# KiCad board PCB_B.kicad_pcb

Outline 53.99 x 53.99 mm; copper layers: Top, Bottom. Coordinates in mm from the lower left corner of the outline.

## Placement (name value [footprint] x y rotation side)
C1  10uF  [C_0805_2012Metric_Pad1.15x1.40mm_HandSolder]  44.74 21.74 90 top
C2  10uF  [C_0805_2012Metric_Pad1.15x1.40mm_HandSolder]  50.19 19.19 270 top
C3  2.2uF  [C_0805_2012Metric_Pad1.15x1.40mm_HandSolder]  31.34 35.48 0 top
C4  100nF  [C_0603_1608Metric_Pad1.05x0.95mm_HandSolder]  32.99 38.99 90 top
C5  2.2uF  [C_0805_2012Metric_Pad1.15x1.40mm_HandSolder]  30.24 41.74 180 top
C6  10uF  [C_0805_2012Metric_Pad1.15x1.40mm_HandSolder]  13.74 26.74 180 top
C7  100nF  [C_0603_1608Metric_Pad1.05x0.95mm_HandSolder]  21.99 29.99 0 top
C8  1uF  [C_0603_1608Metric_Pad1.05x0.95mm_HandSolder]  21.99 28.24 0 top
C9  1uF  [C_0603_1608Metric_Pad1.05x0.95mm_HandSolder]  19.24 32.99 90 top
C10  10uF  [C_0805_2012Metric_Pad1.15x1.40mm_HandSolder]  17.24 26.99 90 top
C11  100nF  [C_0603_1608Metric_Pad1.05x0.95mm_HandSolder]  18.28 22.32 0 top
C12  1uF  [C_0603_1608Metric_Pad1.05x0.95mm_HandSolder]  21.97 22.18 0 top
C13  100nF  [C_0603_1608Metric_Pad1.05x0.95mm_HandSolder]  22.28 20.11 0 top
C14  10uF  [C_0805_2012Metric_Pad1.15x1.40mm_HandSolder]  10.99 19.74 90 top
C15  100nF  [C_0603_1608Metric_Pad1.05x0.95mm_HandSolder]  21.74 12.49 0 top
C16  1uF  [C_0603_1608Metric_Pad1.05x0.95mm_HandSolder]  21.74 10.74 0 top
C17  1uF  [C_0603_1608Metric_Pad1.05x0.95mm_HandSolder]  18.99 15.49 90 top
C18  10uF  [C_0805_2012Metric_Pad1.15x1.40mm_HandSolder]  13.74 13.99 0 top
C19  10n  [C_0603_1608Metric_Pad1.05x0.95mm_HandSolder]  18.74 7.37 90 top
C20  1uF  [C_0603_1608Metric_Pad1.05x0.95mm_HandSolder]  21.74 1.99 0 top
C21  100nF  [C_0603_1608Metric_Pad1.05x0.95mm_HandSolder]  21.74 3.99 0 top
C22  100nF  [C_0603_1608Metric_Pad1.05x0.95mm_HandSolder]  43.74 25.49 180 top
C23  1uF  [C_0603_1608Metric_Pad1.05x0.95mm_HandSolder]  43.74 27.24 180 top
C24  1uF  [C_0603_1608Metric_Pad1.05x0.95mm_HandSolder]  43.74 32.74 0 top
C25  1uF  [C_0603_1608Metric_Pad1.05x0.95mm_HandSolder]  36.99 19.24 90 top
C26  1uF  [C_0603_1608Metric_Pad1.05x0.95mm_HandSolder]  36.24 25.49 90 top
C27  0.47uF  [C_0603_1608Metric_Pad1.05x0.95mm_HandSolder]  32.99 22.74 270 top
F1  Polyfuse  [Fuse_1812_4532Metric_Pad1.30x3.40mm_HandSolder]  30.55 14.55 270 top
IC1  MCP1642B-50I_MS  [SOP65P490X110-8N]  47.49 20.74 90 top
IC2  MCP1642B-50I_MS  [SOP65P490X110-8N]  13.99 18.49 90 top
J1  Conector_PCB_B-C  [Conector_PCB_B-C_Lado_B]  26.99 26.99 0 top
J2  -  [Conector_PCB_A-B]  26.99 26.99 0 top
L1  4.7uH  [SRN3010TA-4R7M]  47.59 25.99 180 top
L2  1uH  [L_0805_2012Metric_Pad1.15x1.40mm_HandSolder]  13.99 34.49 0 top
L3  4.7uH  [SRN3010TA-4R7M]  14.24 23.74 180 top
LOGO  -  [Logo_AXTEC]  2.74 34.74 0 top
LOGO#2  -  [Logo_AXTEC]  10.74 34.74 180 bottom
M1  Spacer  [Empty_Footprint]  -0.95 41.93 0 top
M2  Spacer  [Empty_Footprint]  -1.45 41.93 0 top
M3  Spacer  [Empty_Footprint]  -1.95 41.93 0 top
MH1  -  [MH_CanSat]  26.99 26.99 0 top
R1  51R  [R_0603_1608Metric_Pad1.05x0.95mm_HandSolder]  18.89 36.39 0 top
R2  120m  [R_1206_3216Metric_Pad1.42x1.75mm_HandSolder]  17.24 33.01 90 top
R3  51R  [R_0603_1608Metric_Pad1.05x0.95mm_HandSolder]  18.49 29.74 0 top
R4  2k  [R_0603_1608Metric_Pad1.05x0.95mm_HandSolder]  19.24 26.99 90 top
R5  150k  [R_0603_1608Metric_Pad1.05x0.95mm_HandSolder]  18.28 24.32 0 top
R6  51R  [R_0603_1608Metric_Pad1.05x0.95mm_HandSolder]  17.98 18.79 0 top
R7  200m  [R_1206_3216Metric_Pad1.42x1.75mm_HandSolder]  16.99 15.49 90 top
R8  51R  [R_0603_1608Metric_Pad1.05x0.95mm_HandSolder]  17.87 11.99 0 top
R9  22k  [R_0603_1608Metric_Pad1.05x0.95mm_HandSolder]  16.99 9.24 90 top
R10  39k  [R_0603_1608Metric_Pad1.05x0.95mm_HandSolder]  15.24 7.37 90 top
R11  51R  [R_0603_1608Metric_Pad1.05x0.95mm_HandSolder]  46.5 32.86 90 top
R12  51m  [R_1206_3216Metric_Pad1.42x1.75mm_HandSolder]  43.71 35.72 0 top
R13  51R  [R_0603_1608Metric_Pad1.05x0.95mm_HandSolder]  40.96 32.86 90 top
R14  1k8  [R_0603_1608Metric_Pad1.05x0.95mm_HandSolder]  38.74 19.24 90 top
R15  2k  [R_0603_1608Metric_Pad1.05x0.95mm_HandSolder]  40.49 19.24 90 top
R16  100k  [R_0603_1608Metric_Pad1.05x0.95mm_HandSolder]  37.09 27.99 0 top
R17  10m  [R_2512_6332Metric_Pad1.52x3.35mm_HandSolder]  36.49 32.74 90 top
R20  10k  [C_0603_1608Metric_Pad1.05x0.95mm_HandSolder]  32.74 31.99 90 top
R21  10k  [C_0603_1608Metric_Pad1.05x0.95mm_HandSolder]  30.24 31.24 0 top
R22  100k  [R_0603_1608Metric_Pad1.05x0.95mm_HandSolder]  34.97 15.41 270 top
REF**  -  [PCB_mayor_diametro]  26.99 26.99 0 top
REF**#2  -  [OSHW-Symbol_6.7x6mm_SilkScreen]  6.74 28.99 0 top
REF**#3  -  [OSHW-Symbol_6.7x6mm_SilkScreen]  6.74 28.99 180 bottom
TP1  TestPoint_VBUS  [TestPoint_Pad_D1.0mm]  33.79 18.69 0 top
TP2  TestPoint_BATT  [TestPoint_Pad_D1.0mm]  39.59 29.69 0 top
TP3  TestPoint_3V3int  [TestPoint_Pad_D1.0mm]  27.29 39.59 0 top
TP4  TestPoint_3v3ext  [TestPoint_Pad_D1.0mm]  32.99 50.19 0 top
TP5  TestPoint_5Vext  [TestPoint_Pad_D1.0mm]  32.99 48.79 0 top
TP6  TestPoint_5Vint  [TestPoint_Pad_D1.0mm]  51.79 32.79 0 top
TP7  TestPoint_GND  [TestPoint_THTPad_1.0x1.0mm_Drill0.5mm]  49.19 34.69 0 top
TP8  TestPoint_IBATT  [TestPoint_Pad_D1.0mm]  46.29 28.79 0 top
TP9  TestPoint_I5V  [TestPoint_Pad_D1.0mm]  24.06 42.99 0 top
TP10  TestPoint_V5V  [TestPoint_Pad_D1.0mm]  25.69 42.99 0 top
TP11  TestPoint_I3V3  [TestPoint_Pad_D1.0mm]  20.79 42.99 0 top
TP12  TestPoint_V3V3  [TestPoint_Pad_D1.0mm]  22.43 42.99 0 top
TP13  TestPoint_CHG  [TestPoint_Pad_D1.0mm]  36.59 15.29 0 top
TP14  TestPoint_GPOUT  [TestPoint_Pad_D1.0mm]  28.59 29.39 0 top
TP15  TestPoint_SDA  [TestPoint_Pad_D1.0mm]  29.19 23.89 0 top
TP16  TestPoint_SCL  [TestPoint_Pad_D1.0mm]  36.44 11.79 0 top
U1  MIC5323-3.3YD5_TR  [SOT95P280X100-5N]  30.24 38.49 90 top
U2  ADP2108AUJ-3.3  [TSOT-23-5]  13.94 30.18 90 top
U3  INA194  [SOT-23-5]  21.99 32.74 270 top
U4  MCP6001-OT  [SOT-23-5]  21.99 24.99 270 top
U5  INA194  [SOT-23-5]  21.74 15.49 270 top
U6  MCP6001-OT  [SOT-23-5]  21.74 7.14 270 top
U7  INA194  [SOT-23-5]  43.74 30.24 180 top
U8  BQ24091DGQT  [SOP50P490X110-11N]  38.74 24.18 90 top
U9  BQ27441DRZR-G1A  [Texas_S-PDSO-N12]  31.71 27.33 90 top

## Footprints (pads in the part's own frame, mm; a bottom-side part is the same pattern mirrored in y, then rotated)
C_0603_1608Metric_Pad1.05x0.95mm_HandSolder
  rrect 1.05x0.95 smd: 1(-0.875,0) 2(0.875,0)
C_0805_2012Metric_Pad1.15x1.40mm_HandSolder
  rrect 1.15x1.4 smd: 1(-1.025,0) 2(1.025,0)
Conector_PCB_A-B
  rect 1.7x1.7 hole 1: 1(17.132,11.401)
  oval 1.7x1.7 hole 1: 2(19.672,11.401) 5(24.8,1.27) 6(24.8,-1.27) 9(4.997,-20.914) 10(4.997,-18.374) 12(-19.728,11.501) 13(-22.268,11.501) 15(-24.8,1.27) 16(-24.8,-1.27) 17(-24.8,-3.81)
  round 1.7 hole 1: 3(22.212,11.401) 4(24.8,3.81) 7(24.8,-3.81) 8(4.997,-23.454) 11(-17.188,11.501) 14(-24.8,3.81)
Conector_PCB_B-C_Lado_B
  rect 1.6x0.3 smd far side: 1(1.85,24.25) 2(1.85,23.75) 3(1.85,23.25) 4(1.85,22.75) 5(1.85,22.25) 6(1.85,21.75) 7(1.85,21.25) 8(1.85,20.75) 9(1.85,20.25) 10(1.85,19.75) 11(-1.75,19.75) 12(-1.75,20.25) 13(-1.75,20.75) 14(-1.75,21.25) 15(-1.75,21.75) 16(-1.75,22.25) 17(-1.75,22.75) 18(-1.75,23.25) 19(-1.75,23.75) 20(-1.75,24.25) 21(7.9,-19.878) 22(7.9,-19.378) 23(7.9,-18.878) 24(7.9,-18.378) 25(7.9,-17.878) 26(7.9,-17.378) 27(7.9,-16.878) 28(7.9,-16.378) 29(7.9,-15.878) 30(7.9,-15.378) 31(11.5,-15.378) 32(11.5,-15.878) 33(11.5,-16.378) 34(11.5,-16.878) 35(11.5,-17.378) 36(11.5,-17.878) 37(11.5,-18.378) 38(11.5,-18.878) 39(11.5,-19.378) 40(11.5,-19.878)
  rect 1.8x0.8 smd far side: 41(0.05,26) 42(0.05,18) 43(9.7,-21.628) 44(9.7,-13.628)
  round 0.75 hole 0.75: 45(1.55,25.3) 46(1.55,18.7) 47(8.2,-20.928) 48(8.2,-14.328)
Fuse_1812_4532Metric_Pad1.30x3.40mm_HandSolder
  rrect 1.3x3.4 smd: 1(-2.225,0) 2(2.225,0)
L_0805_2012Metric_Pad1.15x1.40mm_HandSolder
  rrect 1.15x1.4 smd: 1(-1.025,0) 2(1.025,0)
MH_CanSat
  round 6.3 hole 3.2: 1(-12.5,13.5)
  round 6.2 hole 3.2: 2(12.5,13.5) 3(0,-20.2)
R_0603_1608Metric_Pad1.05x0.95mm_HandSolder
  rrect 1.05x0.95 smd: 1(-0.875,0) 2(0.875,0)
R_1206_3216Metric_Pad1.42x1.75mm_HandSolder
  rrect 1.425x1.75 smd: 1(-1.488,0) 2(1.488,0)
R_2512_6332Metric_Pad1.52x3.35mm_HandSolder
  rrect 1.525x3.35 smd: 1(-2.987,0) 2(2.987,0)
SOP50P490X110-11N
  rect 1.422x0.279 smd: 1(-2.184,0.991) 2(-2.184,0.508) 3(-2.184,0) 4(-2.184,-0.508) 5(-2.184,-0.991) 6(2.184,-0.991) 7(2.184,-0.508) 8(2.184,0) 9(2.184,0.508) 10(2.184,0.991)
  rect 1.575x1.88 smd: 11(0,0)
SOP65P490X110-8N
  rect 1.4x0.45 smd: 1(-2.2,0.975) 2(-2.2,0.325) 3(-2.2,-0.325) 4(-2.2,-0.975) 5(2.2,-0.975) 6(2.2,-0.325) 7(2.2,0.325) 8(2.2,0.975)
SOT95P280X100-5N
  rect 1.05x0.6 smd: 1(-1.3,0.95) 2(-1.3,0) 3(-1.3,-0.95) 4(1.3,-0.95) 5(1.3,0.95)
SOT-23-5
  rect 1.06x0.65 smd: 1(-1.1,0.95) 2(-1.1,0) 3(-1.1,-0.95) 4(1.1,-0.95) 5(1.1,0.95)
SRN3010TA-4R7M
  rect 1x3.2 smd: 1(-1.1,0) 2(1.1,0)
TestPoint_Pad_D1.0mm
  round 1 smd: 1(0,0)
TestPoint_THTPad_1.0x1.0mm_Drill0.5mm
  rect 1x1 hole 0.5: 1(0,0)
Texas_S-PDSO-N12
  rect 0.2x0.2 smd: 1(-2.3,1) 2(-2.3,0.6) 3(-2.3,0.2) 4(-2.3,-0.2) 5(-2.3,-0.6) 6(-2.3,-1) 7(2.3,-1) 8(2.3,-0.6) 9(2.3,-0.2) 10(2.3,0.2) 11(2.3,0.6) 12(2.3,1)
  oval 0.85x0.2 smd: 1(-1.975,1) 2(-1.975,0.6) 3(-1.975,0.2) 4(-1.975,-0.2) 5(-1.975,-0.6) 6(-1.975,-1) 7(1.975,-1) 8(1.975,-0.6) 9(1.975,-0.2) 10(1.975,0.2) 11(1.975,0.6) 12(1.975,1)
  rect 0.4x0.575 smd: 13(-1.1,1.365) 13(-1.1,-1.365) 13(1.1,1.365) 13(1.1,-1.365)
  rect 0.4x0.675 smd: 13(-1.1,1.312) 13(-1.1,-1.312) 13(1.1,1.312) 13(1.1,-1.312)
  round 0.6 hole 0.3: 13(-0.9,0.5) 13(-0.9,-0.5) 13(0,0.5) 13(0,-0.5) 13(0.9,0.5) 13(0.9,-0.5)
  rect 1.3x0.975 smd: 13(-0.65,0.487) 13(-0.65,-0.487) 13(0.65,0.487) 13(0.65,-0.487)
  rect 2.6x1.95 smd: 13(0,0)
  rect 2.6x1.95 smd far side: 13(0,0)
TSOT-23-5
  rect 1.22x0.65 smd: 1(-1.31,0.95) 2(-1.31,0) 3(-1.31,-0.95) 4(1.31,-0.95) 5(1.31,0.95)

## Nets
+3V3: C10.2 J1.4 J1.17 R2.1 R3.1 R4.2 TP4.1 U2.4
+3V3_Internal: C5.2 C7.2 C8.2 C12.2 C13.2 C15.2 C16.2 C20.2 C21.2 C22.2 C23.2 J1.10 J2.16 R21.1 R22.2 TP3.1 U1.5 U3.5 U4.5 U5.5 U6.5 U7.5
+5V: C18.2 J1.5 J1.13 R7.1 R8.1 R9.2 TP5.1
/Fuel Gauge/VBAT: R12.1 R13.2 R17.2 U9.6 U9.8
GND: C1.1 C2.1 C3.1 C4.1 C5.1 C6.1 C7.1 C8.1 C10.1 C11.1 C12.1 C13.1 C14.1 C15.1 C16.1 C18.1 C19.1 C20.1 C21.1 C22.1 C23.1 C25.1 C26.1 C27.2 IC1.6 IC1.7 IC2.6 IC2.7 J1.1 J1.2 J1.3 J1.21 J1.22 J1.23 J1.38 J1.39 J1.40 J2.3 J2.15 MH1.1 MH1.2 MH1.3 R5.1 R10.1 R14.1 R15.1 R16.1 R20.2 TP7.1 U1.2 U2.2 U3.2 U4.2 U5.2 U6.2 U7.2 U8.3 U8.11 U9.3 U9.13
VBUS: C25.2 F1.1 TP1.1 U8.1
+BATT: C1.2 C3.2 C6.2 C14.2 C26.2 IC1.1 IC1.8 IC2.8 J1.6 J1.7 J1.8 J1.9 L1.2 L3.2 R17.1 TP2.1 U1.1 U1.3 U2.1 U8.10 U9.7
/BATT_INTERNO: J2.1 J2.2 R11.2 R12.2
/CHG: J1.29 R22.1 TP13.1 U8.8
/CHG_DISABLE: J1.28 R16.2 U8.9
/CS: J1.36 J2.9
/ENABLE_3V3: J1.18 U2.3
/ENABLE_5V: IC2.1 J1.14
/GPOUT: J1.24 R21.2 TP14.1 U9.12
/GPS_TX: J1.20 J2.12
/I_SENSE_3V3: J1.16 TP11.1 U3.1
/I_SENSE_5V: J1.12 TP9.1 U5.1
/I_SENSE_BATT: J1.31 TP8.1 U7.1
/ISET: J1.30 U8.7
/P1: J1.19 J2.11
/S_GLOBO: J1.32 J2.5
/S_PARACAIDAS: J1.33 J2.6
/SCL: J1.25 TP16.1 U9.2
/SCLK: J1.35 J2.10
/SDA: J1.26 TP15.1 U9.1
/SDI: J1.37 J2.8
/SDO: J1.34 J2.7
/SERVOS_5V: C2.2 IC1.4 J2.4 TP6.1
/V_SENSE_3V3: J1.15 TP12.1 U4.1 U4.4
/V_SENSE_5V: J1.11 TP10.1 U6.1 U6.4
Net-(C4-Pad2): C4.2 U1.4
Net-(C9-Pad1): C9.1 R3.2 U3.4
Net-(C9-Pad2): C9.2 R1.2 U3.3
Net-(C11-Pad2): C11.2 R4.1 R5.2 U4.3
Net-(C17-Pad1): C17.1 R8.2 U5.4
Net-(C17-Pad2): C17.2 R6.2 U5.3
Net-(C19-Pad2): C19.2 R9.1 R10.2 U6.3
Net-(C24-Pad1): C24.1 R13.1 U7.4
Net-(C24-Pad2): C24.2 R11.1 U7.3
Net-(C27-Pad1): C27.1 U9.5
Net-(F1-Pad2): F1.2 J1.27
Net-(IC1-Pad2): IC1.2
Net-(IC1-Pad3): IC1.3
Net-(IC1-Pad5): IC1.5 L1.1
Net-(IC2-Pad2): IC2.2
Net-(IC2-Pad3): IC2.3
Net-(IC2-Pad4): IC2.4 R6.1 R7.2
Net-(IC2-Pad5): IC2.5 L3.1
Net-(J1-Pad41): J1.41
Net-(J1-Pad42): J1.42
Net-(J1-Pad43): J1.43
Net-(J1-Pad44): J1.44
Net-(J2-Pad13): J2.13
Net-(J2-Pad14): J2.14
Net-(J2-Pad17): J2.17
Net-(L2-Pad1): L2.1 U2.5
Net-(L2-Pad2): L2.2 R1.1 R2.2
Net-(R14-Pad2): R14.2 U8.2
Net-(R15-Pad2): R15.2 U8.4
Net-(R20-Pad1): R20.1 U9.10
Net-(U8-Pad5): U8.5
Net-(U8-Pad6): U8.6
Net-(U9-Pad4): U9.4
Net-(U9-Pad9): U9.9
Net-(U9-Pad11): U9.11

Pads without a net: J1 45 46 47 48

## Via types
v1: diameter 0.8, hole 0.4, Top to Bottom, 74 vias

## Routing (per net, layer and track width the routed paths; a pad name or vN(x,y) marks a point on that pad's centre or on a via; arc(x,y) is an arc through that point)
+3V3: length 52.6
  Top w0.25: TP4.1 32.98,50.18 v1(31.27,50.18)
  Top w0.3: v1(31.27,50.18) 21.99,50.18 v1(21.3,49.49)
  Top w0.6: R2.1 17.24,29.74 ; 17.24,29.74 R3.1 ; 17.24,29.74 v1(17.24,28.98) C10.2
  Top w1: U2.4 17.22,31.49 R2.1 C10.2 19.09,28.02 R4.2
  Bottom w0.3: J1.4 30.83,49.74 v1(31.27,50.18) ; J1.17 21.55,49.74 v1(21.3,49.49)
  Bottom w0.6: v1(21.3,49.49) 18.96,47.16 18.96,30.7 v1(17.24,28.98)
+3V3_Internal: length 170.2
  Top w0.3: v1(26.84,12.47) 29.23,10.08 33.85,10.08 35.52,8.41 37.78,8.41 38.27,8.91 38.27,12.52 37.41,13.38 36.13,13.38 R22.2
  Top w0.6: v1(39.23,32.34) 39.23,31.78 40.27,30.74 40.99,30.74 42.44,29.29 U7.5 42.64,28.34 42.87,28.12 C22.2 ; C20.2 22.69,2.07 U6.5 ; v1(29.29,43.21) U1.5 29.29,41.67 C5.2 ; C16.2 22.69,10.82 U5.5 ; C8.2 v1(22.87,29.17) C7.2 22.87,30.62 22.94,30.69 U3.5 ; 34.09,33.09 v1(34.09,32.99) ; 22.87,20.24 22.87,19.67
  Top w1: 26.86,33.92 26.86,31.19 ; 26.86,33.92 26.86,39.29 27.36,39.79 U1.5 ; 26.86,33.92 29.6,33.92 v1(29.64,33.88) ; 26.86,31.19 26.91,31.24 R21.1 ; 26.86,31.19 v1(26.86,29.17) v1(26.86,23.28) 26.86,13.05 26.84,13.03 v1(26.84,12.47) ; v1(23.81,22.88) 22.95,22.88 22.94,22.89 ; 15.17,18.3 15.09,18.22 ; 15.17,18.3 15.17,18.93 16.43,20.18 19.32,20.18 20.77,18.73 22.46,18.73 23.06,19.33 23.06,22.77 22.94,22.89 ; 15.17,18.3 14.6,17.72 12.11,17.72 11.72,17.32 10.33,17.32 ; v1(24.45,12.48) 24.44,12.49 C15.2 22.67,12.54 ; 10.33,17.32 10.33,12.16 12.52,9.98 v1(12.52,7.28) ; 10.33,17.32 8.42,17.32 5.5,20.24 5.5,24.02 3.8,25.72 J2.16 ; 22.94,22.89 U4.5 ; v1(24.35,2) 24.35,1.99 C20.2
  Bottom w0.3: J1.10 29.49,46.74 29.94,46.29 29.94,43.86 v1(29.29,43.21)
  Bottom w1: v1(24.35,2) 19.63,2 18.46,3.17 16.63,3.17 v1(12.52,7.28) ; v1(26.84,12.47) 26.82,12.48 v1(24.45,12.48) ; v1(22.87,29.17) v1(26.86,29.17) ; v1(23.81,22.88) 26.46,22.88 v1(26.86,23.28) ; v1(39.23,32.34) 38.59,32.99 v1(34.09,32.99) 32.53,34.54 30.3,34.54 v1(29.64,33.88)
+5V: length 66
  Top w0.25: v1(31.23,48.85) 32.93,48.85 TP5.1
  Top w0.3: v1(31.23,48.85) 25.3,48.85 v1(21.56,45.11)
  Top w0.6: R9.2 16.99,12.36 v1(17.54,12.91) 17.14,13.31 17.11,13.31 16.99,13.19 R7.1
  Top w1: C18.2 16.98,13.99 R7.1 ; R9.2 17.49,10.62 17.49,12.7 16.99,13.19
  Bottom w0.3: v1(21.56,45.11) 21.96,45.51 21.96,45.79 23.91,47.74 J1.13 23.93,47.74 ; J1.5 30.84,49.24 v1(31.23,48.85)
  Bottom w0.6: v1(17.54,12.91) 20.96,16.33 20.96,42.14 21.56,42.74 v1(21.56,45.11)
/Fuel Gauge/VBAT: length 30.1
  Top w0.2: 33.54,30.63 32.97,30.06 32.44,30.06 32.31,29.93 U9.8 ; 33.54,30.63 33.54,30.54 v1(34.06,30.02) ; 33.54,30.63 33.7,30.79 ; 33.7,30.79 33.66,30.75 ; 33.7,30.79 34.61,31.69 v1(35.19,31.69) ; 32.79,25.35 33.01,25.35 ; 32.79,25.35 32.95,25.35 ; 32.79,25.35 U9.6 33.01,25.35 ; 33.01,25.35 33.22,25.14 33.22,24.96 v1(34.45,23.73) ; v1(37.89,31.69) 37.89,34.33 R17.2
  Top w0.6: R12.1 40.96,34.46 R13.2
  Top w1.2: R17.2 36.5,35.72 R12.1
  Bottom w0.2: v1(35.19,31.69) v1(37.89,31.69) ; v1(34.45,23.73) 34.45,29.63 v1(34.06,30.02)
GND: length 200.8
  Top w0.2: U9.3 31.51,26.39 31.22,26.68 ; 32.17,26.13 31.87,26.43
  Top w0.25: 32.87,27.33 31.09,27.33 31.06,27.29 ; 31.06,27.29 31.06,26.28 31,26.23 ; 31.06,27.29 31.06,28.43 ; 32.87,26.43 32.86,26.44 32.86,27.98 ; 31.87,26.43 31.54,26.75
  Top w0.3: U8.3 U8.11
  Top w0.4: IC1.6 IC1.7 ; v1(14.02,19.14) 14.02,20.66 13.99,20.69 ; 13.99,20.69 IC2.6 ; 13.99,20.69 IC2.7
  Top w0.6: v1(43.74,30.24) U7.2 46.74,30.24 v1(47.79,29.19) ; U9.13 U9.13 ; U5.2 v1(21.74,15.49) 21.74,13.37 C15.1 20.87,10.37 v1(21.74,9.49) U6.2 ; U4.2 v1(21.99,26.99) 21.49,27.49 21.29,27.49 21.12,27.67 C8.1 C7.1 21.99,30.87 v1(21.99,32.69) U3.2 ; MH1.2 37.12,38.12 C4.1 ; U9.13 32.28,26.5 32.94,26.5 33.02,26.58 U9.13 ; 17.09,6.49 R10.1 13.94,7.8 13.94,10.43 12.72,11.65 C18.1 ; 17.09,6.49 C19.1 18.74,4.99 19.74,3.99 C21.1 C20.1 ; 17.09,6.49 v1(17.09,5.19) ; 33.14,41.74 v1(33.19,41.79) ; v1(13.99,30.09) 13.94,30.04 U2.2 13.94,27.57 C6.1 15.74,26.74 16.19,26.29 ; 16.19,26.29 v1(15.99,26.49) ; 16.19,26.29 16.52,25.97 C10.1 ; 47.49,22.94 v1(47.49,20.79) ; v1(28.88,35.28) 28.92,35.24 30.47,35.24 30.47,36.04 30.24,36.27 U1.2 ; v1(31.39,32.84) 31.42,32.87 R20.2 ; U8.11 38.74,24.18 v1(37.31,24.18) ; R5.1 C11.1 v1(17.4,23.27) ; v1(35.46,27.91) 35.55,27.99 R16.1 ; C14.1 13.6,18.72 v1(14.02,19.14) ; v1(38.84,17.15) 38.74,17.24 R14.1 ; C1.1 50.29,20.72 50.49,20.52
  Top w0.8: 4.16,28.26 v1(4.19,28.29) ; 49.21,36.41 v1(49.19,36.39)
  Top w0.9: U9.13 30.73,26.75
  Top w1: v1(21.86,21.15) 21.1,21.15 21.07,21.12 ; 21.07,21.12 21.07,22.16 C12.1 ; 21.07,21.12 21.07,20.45 C13.1 ; J2.3 49.21,36.41 ; 31.22,26.68 31.12,26.77 v1(28.33,26.77) ; C22.1 v1(44.62,26.39) C23.1 ; J2.15 4.16,28.26 ; C5.1 33.14,41.74 ; C25.1 R15.1 ; U8.11 36.68,24.18 C26.1 35.67,24.62 35.45,24.83 34.79,24.83 32.89,26.73 ; v1(37.31,24.18) 35,21.87 C27.2
  Top w1.2: MH1.1 4.19,30.19 v1(4.19,28.29)
  Bottom w0.25: J1.1 27.42,51.24 ; 49.19,34.49 v1(49.19,36.39)
  Bottom w0.3: 30.25,50.77 30.22,50.74 J1.2 27.43,50.74 ; 33.77,7.59 33.79,7.62 J1.22 v1(36.69,7.62) J1.39 40.23,7.62 39.73,8.12 J1.38 36.69,8.12 ; 36.69,8.12 36.69,7.12 ; 36.69,8.12 J1.23 33.53,8.12 ; 36.69,7.12 J1.21 33.41,7.12 ; 36.69,7.12 J1.40 40.19,7.12 ; 27.37,50.24 J1.3 30.03,50.24 ; v1(30.67,51.6) 30.31,51.24 J1.1
  Bottom w0.6: v1(31.39,32.84) 32.37,31.87 32.37,27.33 ; v1(43.74,30.24) 46.74,30.24 v1(47.79,29.19) ; 30.63,51.6 v1(30.67,51.6)
  Bottom w0.9: 27.82,7.62 MH1.3
  Bottom w2: v1(31.39,32.84) 31.71,32.53 U9.13 31.71,24.69 31.99,24.41 31.99,21.49 v1(32.99,20.49)
  vias: v1(30.7,52.55)
VBUS: length 10
  Top w0.25: C25.2 37.75,20.88 U8.1
  Top w0.3: F1.1 32.47,18.69 TP1.1 35.57,18.69 C25.2
+BATT: length 114.3
  Top w0.2: U9.7 36.04,29.3 R17.1
  Top w0.4: 13.02,23.62 L3.2
  Top w0.6: R17.1 36.46,29.79 35.76,29.79 ; 12.22,20.77 12.29,20.69 ; U2.1 12.99,28.59 ; 12.99,23.89 L3.2
  Top w0.8: 10.99,22.09 C14.2
  Top w1: 12.69,20.29 12.69,23.29 L3.2 ; 12.59,28.99 12.59,27.67 12.72,27.54 C6.2 11.04,26.74 10.99,26.69 ; v1(28.21,38.54) 28.21,38.41 29.24,37.38 ; L1.2 46.24,25.74 46.24,22.77 ; 21.94,38.53 18.31,38.53 16.37,36.59 14.19,36.59 ; 10.99,26.69 10.99,35.05 12.53,36.59 14.19,36.59 ; 10.99,26.69 C14.2 12.22,20.77 ; 14.19,36.59 16.01,36.59
  Top w1.2: R17.1 35.62,29.76 34.7,28.83 34.52,28.83 34.19,28.51 34.19,27.27 35.1,26.37 37.3,26.37 ; R17.1 36.49,32.31 33.32,35.48 C3.2 32.37,36.28 31.46,37.19 31.34,37.19 ; R17.1 39.7,29.76 39.81,29.64 40.26,29.64 41.36,28.54 41.36,24.62 43.22,22.77 ; 43.22,22.77 46.13,22.77 46.13,22.76 ; 43.22,22.77 43.06,22.61 43.06,19.62 44.15,18.53 46.14,18.53
  Bottom w0.3: J1.9 J1.6
  Bottom w0.6: 22.01,38.5 v1(21.98,38.53)
  Bottom w0.8: 28.2,38.53 v1(28.21,38.54)
  Bottom w1: 28.78,38.54 v1(28.21,38.54) 31.24,38.54 ; 31.24,38.54 32.53,37.25 v1(32.53,36.53) ; 31.24,38.54 31.03,38.75 31.03,41.99 ; 31.03,41.99 31.03,47.28 30.29,48.02 28.84,48.02 ; 31.03,41.99 31.03,41.36 ; v1(21.98,38.53) 28.2,38.53
/BATT_INTERNO: length 8
  Top w0.6: R12.2 46.5,34.42 R11.2
  Top w1.2: 45.23,35.49 45.23,36.47 45.23,36.47 45.23,38.4 ; 45.23,38.4 J2.2 ; 45.23,38.4 J2.1
/CHG: length 28.7
  Top w0.2: U8.8 38.74,27.47 v1(39.71,28.44)
  Top w0.3: 36.59,16.33 TP13.1 ; 36.59,16.33 v1(38.12,16.33) ; 36.59,16.33 35.29,16.33
  Bottom w0.25: J1.29 33.84,11.12 33.29,11.67 33.29,12.62 37,16.33 ; 37,16.33 39.71,19.04 v1(39.71,28.44) ; 37,16.33 v1(38.12,16.33)
/CHG_DISABLE: length 24.6
  Top w0.25: U8.9 38.24,27.86 38.37,27.99
  Top w0.3: R16.2 38.53,28.56 v1(38.72,28.56)
  Bottom w0.3: v1(38.72,28.56) 38.72,18.72 32.79,12.79 32.79,11.49 33.67,10.62 J1.28
/CS: length 15
  Top w0.3: J2.9 33.58,6.08 34.56,5.1 38.27,5.1 v1(41.73,8.55)
  Bottom w0.3: v1(41.73,8.55) 41.16,9.12 J1.36
/ENABLE_3V3: length 28.7
  Top w0.6: v1(15.73,28.9) 14.92,28.9 U2.3
  Bottom w0.3: J1.18 20.9,50.24 18.31,47.65 18.31,31.48 v1(15.73,28.9)
/ENABLE_5V: length 45.5
  Top w0.4: v1(13.74,12.51) 13.74,14.66 13.02,15.39 IC2.1
  Bottom w0.3: J1.14 23.6,48.24 20.79,45.43 20.79,43.35 20.22,42.78 20.22,18.99 v1(13.74,12.51)
/GPOUT: length 35.8
  Top w0.2: TP14.1 28.65,29.33 v1(29.99,29.33) 30.02,29.3 U9.12 30.71,30.01 31.12,30.42 R21.2
  Top w0.25: v1(29.59,25.27) 28.42,25.27 27.81,24.66 27.81,15.51 28.21,15.11 32.74,15.11 33.5,14.35 33.5,11.15 35.48,9.16 v1(37.05,9.16)
  Bottom w0.25: v1(37.05,9.16) 36.51,8.62 J1.24
  Bottom w0.3: v1(29.99,29.33) 29.59,28.93 v1(29.59,25.27)
/GPS_TX: length 24
  Top w0.4: v1(17.14,49.67) 7.27,39.8 J2.12
  Bottom w0.3: v1(17.14,49.67) 18.71,51.24 J1.20
/I_SENSE_3V3: length 22.3
  Top w0.6: v1(19.92,43.88) 20.79,43.01 TP11.1 20.79,42.09 22.94,39.94 U3.1
  Bottom w0.3: 23.59,49.24 J1.16 22.2,49.24 19.92,46.96 v1(19.92,43.88)
/I_SENSE_5V: length 33.6
  Top w0.6: U5.1 22.69,16.8 24.89,19 24.89,41.83 23.89,42.83 23.89,42.93 ; 23.89,42.93 24.09,43.13 v1(24.09,45.09) ; 23.89,42.93 24.14,42.68 24.19,42.68
  Bottom w0.3: J1.12 24.14,47.24 24.09,47.19 v1(24.09,45.09)
/I_SENSE_BATT: length 22.3
  Top w0.6: U7.1 44.84,28.54 v1(44.79,28.49) 45.99,28.49 46.13,28.63
  Bottom w0.3: v1(44.79,28.49) 43.59,27.29 43.59,18.71 41.02,16.13 41.02,13.08 39.56,11.62 J1.31
/ISET: length 24.5
  Top w0.25: 39.69,27.69 39.25,27.25 U8.7
  Top w0.3: v1(37.79,15.29) 39.69,15.29 41.59,17.19 41.59,23.05 40.39,24.25 40.39,27.39 40.09,27.69 39.69,27.69
  Bottom w0.3: J1.30 34.24,11.62 33.79,12.07 33.79,12.45 36.64,15.29 v1(37.79,15.29)
/P1: length 22
  Top w0.4: v1(18.5,49.67) 9.81,40.98 J2.11
  Bottom w0.3: J1.19 19.57,50.74 v1(18.5,49.67)
/S_GLOBO: length 25.9
  Bottom w0.3: J2.5 49.86,26.33 49.86,20.06 48.09,18.29 43.89,18.29 41.59,16 41.59,12.89 39.82,11.12 J1.32
/S_PARACAIDAS: length 25.4
  Bottom w0.3: J2.6 50.38,24.31 50.38,19.48 48.49,17.59 43.89,17.59 42.09,15.79 42.09,12.59 40.12,10.62 J1.33 39.59,10.62
/SCL: length 27.2
  Top w0.2: U9.2 31.11,24.73 31.69,24.14 31.69,21.89 28.32,18.51 28.32,15.82 28.52,15.62 32.99,15.62 33.92,14.68 33.92,11.69 35.12,10.48 v1(36.44,10.48)
  Top w0.3: TP16.1 v1(36.44,10.48)
  Bottom w0.25: v1(36.44,10.48) 36.44,9.62 35.94,9.12 J1.25
/SCLK: length 15.6
  Top w0.3: v1(41.83,10.18) 38.42,6.78 36.09,6.78 34.24,8.62 J2.10
  Bottom w0.3: J1.35 41.27,9.62 v1(41.83,10.18)
/SDA: length 19.9
  Top w0.2: v1(30.39,22.29) 30.37,22.32 30.37,23.89 ; U9.1 30.71,24.49 30.37,24.16 30.37,23.89 ; 30.37,23.89 TP15.1
  Bottom w0.3: J1.26 33.26,9.62 30.39,12.48 v1(30.39,22.29)
/SDI: length 15.2
  Top w0.3: v1(41.78,7.28) 38.03,3.54 J2.8
  Bottom w0.3: J1.37 40.44,8.62 v1(41.78,7.28)
/SDO: length 23
  Bottom w0.3: J2.7 51.79,19.25 49.54,16.99 44.11,16.99 42.59,15.48 42.59,12.09 40.62,10.12 J1.34
/SERVOS_5V: length 19.8
  Top w0.6: J2.4 TP6.1
  Top w1: 48.74,18.54 48.74,18.44 49.02,18.17 51.07,18.17 ; 51.07,18.17 C2.2 ; 51.07,18.17 51.89,18.99 51.89,20.79 50.09,22.59 50.09,29.1 J2.4
/V_SENSE_3V3: length 32.6
  Top w0.6: U4.4 21.04,24.1 21.94,24.99 22.74,24.99 22.94,25.19 U4.1 22.94,26.3 24.09,27.45 24.09,40.39 22.43,42.06 TP12.1 21.93,43.49 21.85,43.49 20.66,44.68 20.66,46.43 v1(22.64,48.41)
  Bottom w0.3: 23.9,48.74 J1.15 22.97,48.74 v1(22.64,48.41)
/V_SENSE_5V: length 43.5
  Top w0.25: 25.74,42.99 25.71,42.96
  Top w0.6: U6.4 20.79,6.25 21.72,7.17 22.42,7.17 22.69,7.44 U6.1 22.69,8.45 25.79,11.55 25.79,42.88 25.19,43.48 v1(25.19,45.09)
  Bottom w0.3: J1.11 25.24,45.14 v1(25.19,45.09)
Net-(C4-Pad2): length 1.8
  Top w0.6: C4.2 32.92,39.79 U1.4
Net-(C9-Pad1): length 4.4
  Top w0.6: U3.4 20.59,31.64 20.12,32.12 C9.1 19.24,30.74 19.37,30.62 R3.2
Net-(C9-Pad2): length 4.9
  Top w0.6: C9.2 19.27,33.84 U3.3 19.77,35.12 R1.2
Net-(C11-Pad2): length 5.6
  Top w0.6: U4.3 19.27,26.09 R4.1 19.24,22.41 C11.2
Net-(C17-Pad1): length 4.6
  Top w0.6: U5.4 20.09,14.39 19.87,14.62 C17.1 18.99,13.24 18.74,12.99 R8.2
Net-(C17-Pad2): length 4.6
  Top w0.6: 18.87,18.99 18.87,16.49 C17.2 19.87,16.37 20.09,16.59 U5.3
Net-(C19-Pad2): length 5.5
  Top w0.6: R10.2 U6.3
Net-(C24-Pad1): length 3.7
  Top w0.6: R13.1 41.85,31.99 U7.4 42.64,31.89 42.87,32.12 C24.1
Net-(C24-Pad2): length 3.6
  Top w0.6: R11.1 45.64,31.99 U7.3 44.84,31.89 44.62,32.12 C24.2
Net-(C27-Pad1): length 2.1
  Top w0.2: U9.5 32.31,24.31 C27.1 32.97,23.64
Net-(F1-Pad2): length 9
  Top w0.4: v1(32.48,14.19) 32.42,14.19 F1.2
  Bottom w0.25: 31.97,12.21 31.97,12.21
  Bottom w0.3: J1.27 33.47,10.12 31.97,11.61 31.97,13.69 v1(32.48,14.19)
Net-(IC1-Pad5): length 7
  Top w0.4: L1.1 48.69,23.79 48.47,23.57 IC1.5 48.47,23.47
  Top w1: L1.1 48.69,24.25 48.79,24.15 48.79,22.69
Net-(IC2-Pad4): length 4.4
  Top w0.4: R7.2 16.31,16.29 IC2.4
  Top w0.6: 17.12,18.99 16.99,18.87 R7.2
Net-(IC2-Pad5): length 3.1
  Top w1: 15.24,20.69 15.24,21.94 15.34,22.04 L3.1
Net-(L2-Pad1): length 3
  Top w0.6: L2.1 12.99,34.47 U2.5
Net-(L2-Pad2): length 4.4
  Top w0.6: R1.1 18.02,35.27 R2.2 L2.2
Net-(R14-Pad2): length 2.1
  Top w0.254: R14.2 38.24,20.63 U8.2
Net-(R15-Pad2): length 2.6
  Top w0.254: R15.2 39.72,20.89 39.39,20.89 39.25,21.03 U8.4
Net-(R20-Pad1): length 2.4
  Top w0.2: 32.73,31.11 R20.1 32.7,31.12 31.51,29.93 U9.10

## Copper pours and planes (outline as drawn; the poured copper is in the pictures)
GND on Top: -3.01,56.99 56.99,56.99 56.99,-3.01 -3.01,-3.01
GND on Bottom: -3.01,56.99 56.99,56.99 56.99,-3.01 -3.01,-3.01

## Text on the board
B.SilkS: CanSat Platform | PCB_B v1.0
F.SilkS: SDA | VBUS | SCL | CHG | IBATT | GPOUT | VBAT | 5V_SERVO | GND | 3V3_INT | PCB_B v1.0 | CanSat Platform | 5V | 3V3 | I3V3 | V3V3 | I5V | V5V
